# KiCad board FPGA-BOARDver3.kicad_pcb (continued)
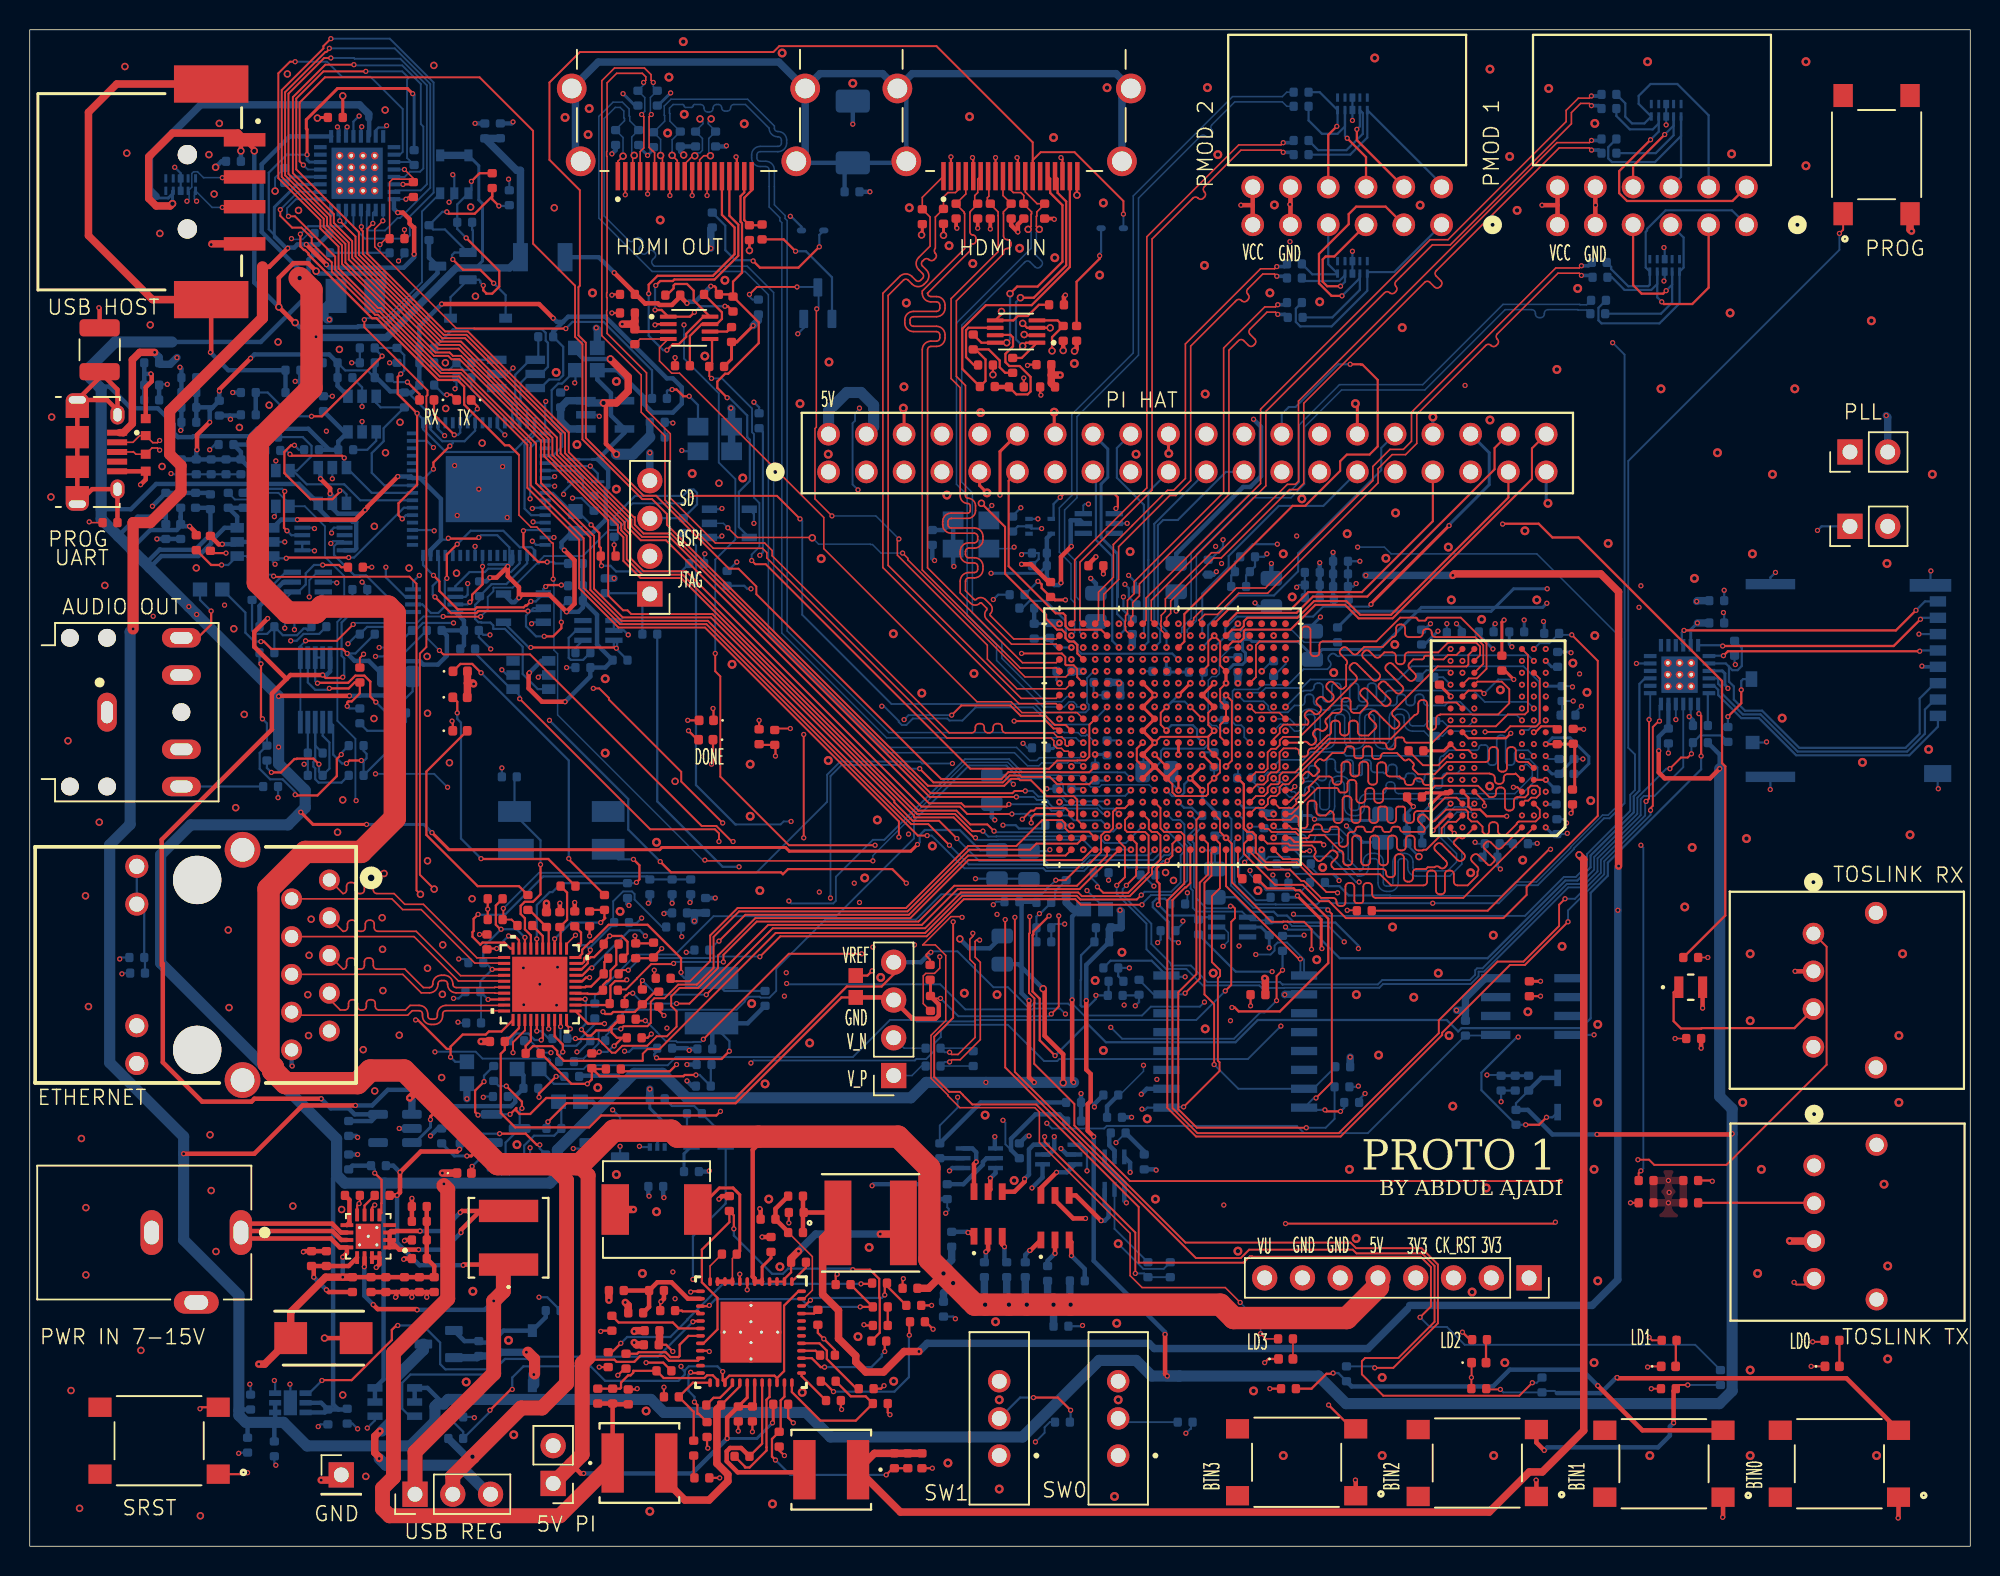
[diagram p0: board, top side]
## Placement (name value [footprint] x y rotation side) (continued)
R146  49.9  [R_0402]  43.75 94.65 270 bottom
R147  49.9  [R_0402]  41.95 94.6 270 bottom
R148  49.9  [R_0402]  42.2 97.4 270 bottom
R149  49.9  [R_0402]  40.9 97.4 270 bottom
R150  49.9  [R_0402]  40.95 94.75 270 bottom
R151  49.9  [R_0402]  39.4 94.75 270 bottom
R152  1K  [R_0402]  46.9 65.1 90 bottom
R153  1MEG  [R_0402]  55.3 91.1 180 bottom
R154  10K  [R_0402]  48.4 88.35 90 top
R155  4.7K  [R_0402]  49 83.35 270 bottom
R156  0  [R_0402]  36.65 42.2 90 top
R157  1.2K  [R_0402]  40.65 34.2 0 top
R158  1.2K  [R_0402]  40.75 40.05 90 top
R159  1.2K  [R_0402]  42.3 36.8 270 top
R160  4.7K  [R_0402]  39.25 32.1 0 top
R161  0  [R_0402]  42.6 38.2 0 top
R162  0  [R_0402]  41.2 36.95 90 top
R163  0  [R_0402]  39.5 36.5 0 top
R164  0  [R_0402]  40.25 35.45 0 top
R165  0  [R_0402]  39.05 37.4 0 top
R166  0  [R_0402]  39.1 38.5 0 top
R167  4.7K  [R_0402]  39.1 40.5 0 top
R168  4.7K  [R_0402]  37.8 32.65 90 top
R169  4.7K  [R_0402]  39.4 39.55 180 top
R170  1.5K  [R_0402]  33.85 33.15 180 top
R171  0  [R_0402]  33.3 41.75 0 top
R172  2.49K 1%  [R_0402]  30.75 40.65 270 top
R173  390  [R_0402]  36.2 44.4 0 top
R174  390  [R_0402]  33.5 43.3 90 top
R175  390  [R_0402]  38.65 43.3 90 top
R176  390  [R_0402]  34.75 42.15 90 top
R177  390  [R_0402]  35.65 42.15 90 top
R178  4.7K  [R_0402]  37.65 42.2 90 top
R179  4.7K  [R_0402]  112.35 55.2 0 bottom
R180  0  [R_0402]  49.45 36.85 270 bottom
R181  1MEG  [R_0402]  7.25 38.55 0 bottom
R182  2.2K  [R_0402]  31.45 33.95 180 top
R183  2.2K  [R_0402]  99.95 28.85 90 bottom
R184  200  [R_0402]  114.2 54.6 90 bottom
R185  47K  [R_0402]  112.35 54.05 0 bottom
R186  4.7K  [R_0402]  114.65 60.4 270 bottom
R187  15K  [R_0402]  44.7 29.1 0 bottom
R188  82  [R_0402]  14.65 6.8 270 bottom
R189  2.2K  [R_0402]  108.7 23.1 0 top
R190  2.2K  [R_0402]  108.7 24.6 0 top
R191  2.2K  [R_0402]  111.7 39.6 0 top
R192  2.2K  [R_0402]  67.05 63.1 0 bottom
R193  10K  [R_0402]  19.2 53.35 0 bottom
R194  26.1K 1%  [R_0402]  24.7 54.35 270 bottom
R195  26.1K 1%  [R_0402]  22.2 55.85 270 bottom
R196  2K  [R_0402]  22.7 61.35 0 bottom
R197  100K  [R_0402]  16.2 51.1 0 bottom
R198  1MEG  [R_0402]  17.7 77.6 0 bottom
R199  330K  [R_0402]  32.25 90.7 90 bottom
R200  0  [R_0402]  29.25 89.05 0 bottom
R201  0  [R_0402]  42.35 77.2 180 bottom
R202  4.7K  [R_0402]  31.65 95.2 270 bottom
R203  1K  [R_0402]  25.85 93.4 90 bottom
R204  0  [R_0402]  25.8 91.25 270 top
R205  0  [R_0402]  19.7 87 180 bottom
R206  10K  [R_0402]  56.25 10.6 180 top
R207  10K  [R_0402]  49.25 88.4 90 top
R208  10k  [R_0402]  34.7 81.35 180 bottom
R209  10k  [R_0402]  26.7 79.6 0 bottom
R210  10k  [R_0402]  36.7 66.1 180 bottom
R211  10k  [R_0402]  29.2 79.6 0 bottom
R212  100k  [R_0402]  36.7 64.6 180 bottom
R213  100k  [R_0402]  36.7 63.6 180 bottom
R214  100k  [R_0402]  39.7 59.6 0 bottom
R215  100k  [R_0402]  37.2 60.1 180 bottom
R216  10k  [R_0402]  25.2 61.6 180 bottom
R217  2k2  [R_0402]  29.2 78.6 180 bottom
R218  1k  [R_0402]  35.7 77.1 270 bottom
R219  470  [R_0402]  23.7 78.6 0 bottom
R220  470  [R_0402]  26.7 78.1 0 bottom
R221  100k  [R_0402]  11.2 67.5 90 top
R222  100k  [R_0402]  12.15 67.45 90 top
R223  100k  [R_0402]  16.2 74.6 180 bottom
R224  100k  [R_0402]  13.35 70.35 270 bottom
R225  100k  [R_0402]  16.35 73.7 180 bottom
R226  100k  [R_0402]  18.95 73.75 0 bottom
R227  100k  [R_0402]  25.2 77.1 90 bottom
R228  100k  [R_0402]  21.25 73.75 180 bottom
R229  100k  [R_0402]  30.25 64.4 90 bottom
R230  100k  [R_0402]  29.45 60.35 180 bottom
R231  100k  [R_0402]  14.35 70.35 270 bottom
R232  100k  [R_0402]  29.7 61.6 180 bottom
R233  100k  [R_0402]  27.2 61.6 0 bottom
R234  40.2  [R_0402]  36.1 32.6 180 bottom
R235  40.2  [R_0402]  38 36 270 bottom
R236  40.2  [R_0402]  38.2 34 180 bottom
R237  40.2  [R_0402]  32.75 34 180 bottom
R238  40.2  [R_0402]  35.65 34.15 180 bottom
R239  40.2  [R_0402]  45.2 40.1 180 bottom
R240  200k  [R_0402]  45.84 84.2 180 top
R241  200k  [R_0402]  64.4 78 0 top
RX1  LED  [LED_0402_1005Metric]  26.7 77.1 180 top
S1  PTS645SK50SMTR92LFS  [SW_PTS645SK50SMTR92LFS]  124.2 93.6 90 top
S2  PTS645SK50SMTR92LFS  [SW_PTS645SK50SMTR92LFS]  8.7 7.1 180 top
S6  PTS645SK50SMTR92LFS  [SW_PTS645SK50SMTR92LFS]  109.9 5.55 180 top
S7  PTS645SK50SMTR92LFS  [SW_PTS645SK50SMTR92LFS]  121.7 5.55 180 top
S8  PTS645SK50SMTR92LFS  [SW_PTS645SK50SMTR92LFS]  97.35 5.6 180 top
S9  PTS645SK50SMTR92LFS  [SW_PTS645SK50SMTR92LFS]  85.2 5.65 180 top
SW0  SW_SPDT  [SW_EG1218]  73.2 8.6 90 top
SW1  SW_SPDT  [SW_EG1218]  65.2 8.6 90 top
TX1  LED  [LED_0402_1005Metric]  29.2 77.1 180 top
U1  XC7Z020-1CLG400I__  [CLG400_ZYNQ-7000_AMD]  76.85 54.45 180 top
U3  FT2232HQ  [64QFN_FT2232HQ_FTD]  30.2 71.1 180 bottom
U4  ATSHA204A-SSHCZ-T  [SOIC8_4P9X3P9MC_MCH]  101.05 36.3 180 bottom
U5  TOTX1950AF  [TOTX1950AF_TOS]  120 25.61 90 top
U6  TORX1950AF  [TORX1950AF_TOS]  119.95 41.21 90 top
U7  S25FL128SAGMFI000  [SO3016_INF]  81.07 33.94 180 bottom
U8  TXS0102DCUR  [SOP50P310X90-8N]  44.34 81.95 0 top
U9  SIP32510DT-T1-GE3  [SIP32510DT-T1-GE3_VIS]  24.55 9.7 180 bottom
U10  AD8647ARMZ-REEL  [RM_10_ADI]  19.2 57.6 90 bottom
U11  NC7SZ125M5X  [SC-74A_318BQ_ONS]  47.05 68.8 0 bottom
U12  RTL8211F-CG  [RTL8211F-CG_RTK]  34.3 37.8 0 top
U13  TXS02612RTWR  [RTW24_2P45X2P45]  110.95 58.62 90 bottom
U14  -  [TLV62130RGTT]  22.77 20.85 180 top
U15  LP5907MFX-3.3  [SOT-23-5]  24.56 28.1 180 bottom
U16  REF3012  [SOT-23]  32.01 28.1 0 bottom
U17  -  [NC7WZ07P6X]  71.89 68.79 180 bottom
U18  NL17SZ17XV5T2G  [SOT553-5_ONS]  67.95 68.6 0 bottom
U19  NL17SZ17XV5T2G  [SOT553-5_ONS]  42.2 27.6 90 bottom
U20  FPF1018  [MLP6_2X2_ONS]  17.53 9.65 180 bottom
U21  -  [NC7WZ07P6X]  18.7 64.85 180 bottom
U22  TPS65400RGZT  [RGZ0048B]  48.5 14.4 270 top
U23  -  [NC7WZ07P6X]  80.86 41.65 0 bottom
U24  TXS0102DCUR  [SOP50P310X90-8N]  66.33 81.7 180 top
U25  TPS2051BDBVR  [DBV0005A_L]  28.55 92.28 90 bottom
U26  TUSB1210BRHBT  [RHB32_3P45X3P45]  22.02 92.35 90 bottom
U27  TPD4E05U06DQAR  [IC_TPD4E05U06DQAR]  88.95 86.02 90 bottom
U28  TPD4E05U06DQAR  [IC_TPD4E05U06DQAR]  88.95 97.02 90 bottom
U29  TPD4E05U06DQAR  [IC_TPD4E05U06DQAR]  109.95 86.15 90 bottom
U30  TPD4E05U06DQAR  [IC_TPD4E05U06DQAR]  110.05 96.58 90 bottom
U31  MBT3904DW1T1G  [SOT236]  63.86 26.1 90 bottom
U32  MBT3904DW1T1G  [SOT236]  69.2 26.35 90 bottom
U33  MBT3904DW1T1G  [SOT236]  72.95 25.1 0 bottom
U35  TPD4E05U06DQAR  [IC_TPD4E05U06DQAR]  10.15 91.58 90 bottom
U36  MIC5504-3.3YM5-TR  [SOT-23-5_MC_MCH]  38.7 76.1 0 bottom
U37  93LC56BT-I/OT  [SOT-23-6_MC_MCH]  32.7 78.85 0 bottom
U38  KC2016K12.0000C1GE00  [KC2016K_KYO]  37.39 72.35 180 bottom
U39  SN74LVC1T45DBVR  [DBV0006A_L]  15.15 67.55 180 bottom
U40  -  [NC7WZ07P6X]  38.24 61.6 180 bottom
U41  NC7SZ125M5X  [SC-74A_318BQ_ONS]  33.2 63.1 180 bottom
U42  SN74LVC1T45DBVR  [DBV0006A_L]  16.55 71.15 270 bottom
U43  SN74LVC1T45DBVR  [DBV0006A_L]  20.35 71.35 270 bottom
U44  SN74LVC1T45DBVR  [DBV0006A_L]  22.35 76.15 270 bottom
U45  SN74LVC1T45DBVR  [DBV0006A_L]  33.7 58.6 180 bottom
U46  NC7WZ126K8X  [US8-8_2P1X2P4_ONS]  19.75 67.75 0 bottom
U47  NC7WZ126K8X  [US8-8_2P1X2P4_ONS]  27.2 63.6 0 bottom
Y1  ABMM-25.000MHZ-B2-T  [XTAL_ABMM-25.000MHZ-B2-T]  35.75 48.15 90 bottom
Y2  SG-8018CE_50.0000M-TJHPA  [OSC_SG-8018CE_50.0000M-TJHPA]  63.3 68.05 270 bottom

## Library data of the parts
C1 C2 C4 C10-C15 C17 C18 C22-C25 C28 C30 C32 C33 C53-C57 C63 C65 C68 C70 C71 C73 C75 C76 C78-C80 C155 C162 C165 C168 C171 C174 C176 C187 C189-C191 C201 C202 C204-C206 C208 C209 C213 C215-C218 C220-C233 = -: Description: Unpolarized capacitor; LCSC PN: c1525; ki_fp_filters: C_*
C3 = -: Description: Unpolarized capacitor; LCSC PN: c307452; ki_fp_filters: C_*
C5 C8 C9 C34 C35 C184 = -: Description: Unpolarized capacitor; LCSC PN: c15195; ki_fp_filters: C_*
C6 C7 C19-C21 C144 C173 C182 = -: Description: Unpolarized capacitor; LCSC PN: c14445; ki_fp_filters: C_*
C16 C66 C181 = -: Description: Unpolarized capacitor; LCSC PN: c14442; ki_fp_filters: C_*
C26 C82 C83 C87-C113 = -: Description: Unpolarized capacitor; LCSC PN: c92361; ki_fp_filters: C_*
C27 C58 C64 C67 C69 C72 C74 C77 C81 C86 C114 C115 C117-C124 C126 C127 C146 C172 C207 C210-C212 C214 C219 = -: Description: Unpolarized capacitor; LCSC PN: c23733; ki_fp_filters: C_*
C29 = -: Description: Unpolarized capacitor; LCSC PN: c337699; ki_fp_filters: C_*
C31 C137 C143 C192-C199 = -: Description: Unpolarized capacitor; LCSC PN: c315248; ki_fp_filters: C_*
C36-C51 = -: Description: Unpolarized capacitor; LCSC PN: c307434; ki_fp_filters: C_*
C52 = -: Description: Unpolarized capacitor; LCSC PN: c237595; ki_fp_filters: C_*
C59-C62 = -: Description: Unpolarized capacitor; LCSC PN: c472451; ki_fp_filters: C_*
C84 C116 = -: Description: Unpolarized capacitor; LCSC PN: c84705; ki_fp_filters: C_*
C85 C128-C136 C179 = -: Description: Unpolarized capacitor; LCSC PN: c141660; ki_fp_filters: C_*
C125 C138 = -: Description: Unpolarized capacitor; LCSC PN: c16790; ki_fp_filters: C_*
C139-C142 C156 C164 C167 C170 C200 = -: Description: Unpolarized capacitor; LCSC PN: c415703; ki_fp_filters: C_*
C145 = -: Description: Unpolarized capacitor; LCSC PN: c51412; ki_fp_filters: C_*
C147 = -: Description: Unpolarized capacitor; LCSC PN: c23967; ki_fp_filters: C_*
C148 C154 C157 C160 = -: Description: Unpolarized capacitor; LCSC PN: c472437; ki_fp_filters: C_*
C149 C151 C153 C159 C161 C163 C166 C169 = -: Description: Unpolarized capacitor; LCSC PN: c307440; ki_fp_filters: C_*
C150 = -: Description: Unpolarized capacitor; LCSC PN: c1527; ki_fp_filters: C_*
C152 = -: Description: Unpolarized capacitor; LCSC PN: c393671; ki_fp_filters: C_*
C158 = -: Description: Unpolarized capacitor; LCSC PN: c13533; ki_fp_filters: C_*
C175 C178 = -: Description: Unpolarized capacitor; LCSC PN: c76947; ki_fp_filters: C_*
C177 = -: Description: Unpolarized capacitor; LCSC PN: c76951; ki_fp_filters: C_*
C180 = -: ki_fp_filters: CAPMP3.7X2.8_2.1N_KEM CAPMP3.7X2.8_2.1N_KEM-M CAPMP3.7X2.8_2.1N_KEM-L
C183 C186 = -: Description: Unpolarized capacitor; LCSC PN: c71687; ki_fp_filters: C_*
C185 = -: Description: Unpolarized capacitor; LCSC PN: c368809; ki_fp_filters: C_*
C188 = -: Description: Unpolarized capacitor; LCSC PN: c170151; ki_fp_filters: C_*
C203 = -: Description: Unpolarized capacitor; LCSC PN: c173219; ki_fp_filters: C_*
CR1 CR2 = -: LCSC PN: C15885; ki_fp_filters: USC_TOS USC_TOS-M USC_TOS-L
CR3 CR4 = -: LCSC PN: C460860; ki_fp_filters: ZDO_SOD123_DIO ZDO_SOD123_DIO-M ZDO_SOD123_DIO-L
CR5 = -: ki_fp_filters: CRYSTAL_TXC_7M
CR6 CR7 = -: ki_fp_filters: CR_050R3C2P_AVX CR_050R3C2P_AVX-M CR_050R3C2P_AVX-L
D1 D4-D6 D28 D32 D33 PWR1 RX1 TX1 = -: Description: Light emitting diode; LCSC PN: C434449; ki_fp_filters: LED* LED_SMD:* LED_THT:*
D7 D8 = -: Datasheet: https://www.rohm.com/datasheet/SMLVN6RGB1U; Description: High Brightness Tri-Color LED, RGB, 3.5x2.8mm; LCSC PN: C2909770; ki_fp_filters: LED*ROHM*SMLVN6*
D25 DONE1 = -: Description: Light emitting diode, small symbol, filled shape; LCSC PN: C434449; ki_fp_filters: LED* LED_SMD:* LED_THT:*
D26 D27 = -: MAXIMUM_PACKAGE_HEIGHT: 0.7 mm; PARTREV: 10; MANUFACTURER: ON Semiconductor; SNAPEDA_PACKAGE_ID: 104167; STANDARD: IPC-7351B; LCSC PN: C152479
D37 = -: Datasheet: https://ms.componentsearchengine.com/Datasheets/2/SMBJ15CA-E3_52.pdf; Description: Vishay SMBJ15CA-E3/52 Bi-Directional TVS Diode, 600W peak, 2-Pin DO-214AA; Height: 2.44; Manufacturer_Name: Vishay; Manufacturer_Part_Number: SMBJ15CA-E3/52; LCSC PN: C435933
F1 = -: LCSC PN: C2442491; ki_fp_filters: FUSE_PTS1206_EAT FUSE_PTS1206_EAT-M FUSE_PTS1206_EAT-L
F2 = -: LCSC PN: C133974; ki_fp_filters: FUSE_PRG-18_MUR FUSE_PRG-18_MUR-M FUSE_PRG-18_MUR-L
FL1 FL2 FL5 = -: LCSC PN: digi/mouser
FL3 FL4 FL6-FL8 = -: LCSC PN: C19330
IC1 = -: Manufacturer_Name: Integrated Silicon Solution Inc.; MF: ISSI, Integrated Silicon Solution Inc; Description_1: SDRAM - DDR3 Memory IC 4Gb (256M x 16) Parallel 800 MHz 20 ns 96-TWBGA (9x13); Mouser_Part_Number: 870-43T16256B125KBLI; Price: None; Check_prices: https://www.snapeda.com/parts/IS43TR16256B-125KBLI/ISSI/view-part/?ref=eda; Height: 1.2mm; SnapEDA_Link: https://www.snapeda.com/parts/IS43TR16256B-125KBLI/ISSI/view-part/?ref=snap; Package: TFBGA-96 ISSI; Mouser_Price-Stock: https://www.mouser.com/Search/Refine.aspx?Keyword=870-43T16256B125KBLI; Availability: In Stock; LCSC PN: C1349408
J1 = -: MF: CUI Devices; Purchase-URL: https://pricing.snapeda.com/search/part/PJ-102AH/?ref=eda; Package: None; Price: None; CUI_purchase_URL: https://www.cuidevices.com/product/interconnect/connectors/dc-power-connectors/jacks/pj-102ah?utm_source=snapeda.com&utm_medium=referral&utm_campaign=snapedaBOM; Availability: In Stock; Description_1: 2.0 x 6.5 mm, 5.0 A, Horizontal, Through Hole, Tapered Pins, Dc Power Jack Connector; LCSC PN: C3096093
J2 = -: Description: Generic connector, single row, 01x01, script generated; LCSC PN: digi/mouser; ki_fp_filters: Connector*:*_1x??_*
J3 = -: Description: Generic connector, single row, 01x03, script generated; LCSC PN: digi/mouser; ki_fp_filters: Connector*:*_1x??_*
J4 J6 = -: Description: Generic connector, single row, 01x04, script generated; LCSC PN: digi/mouser; ki_fp_filters: Connector*:*_1x??_*
J5 J8 J17 = -: Description: Generic connector, single row, 01x02, script generated; LCSC PN: digi/mouser; ki_fp_filters: Connector*:*_1x??_*
J7 = -: Description: Generic connector, single row, 01x08, script generated; LCSC PN: digi/mouser; ki_fp_filters: Connector*:*_1x??_*
J9 = -: ki_fp_filters: SJ1-3525NG_CUD
J10 J11 = -: PARTREV: Y; MANUFACTURER: Amphenol; MAXIMUM_PACKAGE_HEIGHT: 6.30 mm; STANDARD: Manufacturer recommendations; LCSC PN: C428493
J12 = -: Datasheet: https://www.haloelectronics.com/pdf/fastjack-gigabit.pdf; Description: Modular Connectors / Ethernet Connectors GIGABIT 1x1 Tab Down RJ45 w/mag No LED; Mouser Part Number: 493-HFJ11-1G01ERL; Mouser Price/Stock: https://www.mouser.co.uk/ProductDetail/HALO-Electronics/HFJ11-1G01ERL?qs=8uu3sA0mUdvTD6rdbxkWMQ%3D%3D; Manufacturer_Name: Halo Electronics
J13 = -: PARTREV: 0; MANUFACTURER: molex; STANDARD: MANUFACTURER RECOMMENDATIONS; LCSC PN: C428492
J14 = -: LCSC PN: digi/mouser; ki_fp_filters: CONN_PRT-14017_SPK
J15 = -: PARTREV: T; STANDARD: Manufacturer Recommendations; MAXIMUM_PACKAGE_HEIGHT: 7.8 mm; MANUFACTURER: Samtec; LCSC PN: C6906824
J16 = -: PARTREV: D; MANUFACTURER: Amphenol; MAXIMUM_PACKAGE_HEIGHT: 2.66mm; STANDARD: Manufacturer Recommendations; LCSC PN: C132563
L1 = -: Datasheet: https://www.lcsc.com/datasheet/lcsc_datasheet_2310301641_Sunlord-SDFL2012T220KTF_C32375.pdf; Description: 5mA 22uH ±10% 1.1Ω 0805 Inductors (SMD) ROHS; LCSC: C32375; Stock: 21646; Price: 0.028USD; Process: SMT; Minimum Qty: 20; Attrition Qty: 8; Class: Preferred Component; Category: Inductors/Coils/Transformers,Inductors (SMD); Manufacturer: Sunlord; Part: SDFL2012T220KTF; Inductance: 22uH; Tolerance: ±10%; Rated Current: 5mA; DC Resistance (DCR): 1.1Ω; LCSC PN: C223186; ki_fp_filters: L_*
L2 = -: Datasheet: https://www.bourns.com/docs/product-datasheets/srn4018.pdf?sfvrsn=528a0331_17; Description: Inductor SMD 4x4 semi-shielded 3,3uH Bourns SRN4018 Series Shielded Wire-wound SMD Inductor with a Ferrite Core, 3.3 uH +/-20% Wire-Wound 2.2A rms Idc; Mouser Part Number: 652-SRN4018-3R3M; Mouser Price/Stock: https://www.mouser.co.uk/ProductDetail/Bourns/SRN4018-3R3M?qs=UvjENeDOEecJUn4TJeWI1g%3D%3D; Manufacturer_Name: Bourns; LCSC PN: C2044390
L3 = -: Datasheet: NR5040T4R7N; LCSC PN: C223063; ki_fp_filters: IND_TAIYO_NR5040_TAY
L5 = -: Datasheet: SRP4020TA-1R5M; LCSC PN: C3223801; ki_fp_filters: IND_SRP4020_BRN IND_SRP4020_BRN-M IND_SRP4020_BRN-L
L6 L7 = -: Datasheet: NR5040T2R2N; LCSC PN: C223063; ki_fp_filters: IND_TAIYO_NR5040_TAY
L10 = -: Datasheet: TYS60282R2N-10; ki_fp_filters: IND_TYS60282_LRD
Q7 Q10 = -: PARTREV: 09/2018; MANUFACTURER: Diodes Inc.; MAXIMUM_PACKAGE_HEIGHT: 1.1mm; STANDARD: IPC-7351B; LCSC PN: C144153
Q8 Q9 = -: PARTREV: 8; STANDARD: IPC-7351B; MAXIMUM_PACKAGE_HEIGHT: 1.11mm; MANUFACTURER: Onsemi; LCSC PN: C15310
R1 R2 R13 R14 = -: Description: Resistor, US symbol; LCSC PN: C105875; ki_fp_filters: R_*
R3 R16 R67-R82 R91 R156 R161-R166 R171 R180 R200 R201 R204 R205 = -: Description: Resistor, US symbol; LCSC PN: C106231; ki_fp_filters: R_*
R4 R8 R234-R239 = -: Description: Resistor, US symbol; LCSC PN: C274892; ki_fp_filters: R_*
R5-R7 = -: Description: Resistor, US symbol; LCSC PN: C843839; ki_fp_filters: R_*
R9 = -: Description: Resistor, US symbol; LCSC PN: C185455; ki_fp_filters: R_*
R10 R196 = -: Description: Resistor, US symbol; LCSC PN: C60488; ki_fp_filters: R_*
R11 R15 R17-R29 R43 R45 R86 R89 R99 R113 R124 R131 R154 R193 R206-R211 R216 = -: Description: Resistor, US symbol; LCSC PN: C60490; ki_fp_filters: R_*
R12 = -: Description: Resistor, US symbol; LCSC PN: C852482; ki_fp_filters: R_*
R30 R58 = -: Description: Resistor, US symbol; LCSC PN: C295882; ki_fp_filters: R_*
R31 R59 = -: Description: Resistor, US symbol; LCSC PN: C138054; ki_fp_filters: R_*
R32 R60 = -: Description: Resistor, US symbol; LCSC PN: C114757; ki_fp_filters: R_*
R33-R35 R55-R57 R61-R66 R182 R183 R189-R192 R217 = -: Description: Resistor, US symbol; LCSC PN: c114762; ki_fp_filters: R_*
R36-R38 R40 R42 R48 R49 R85 R105 = -: Description: Resistor, US symbol; LCSC PN: C93942; ki_fp_filters: R_*
R39 R41 R46 R47 R127-R130 R152 R203 = -: Description: Resistor, US symbol; LCSC PN: C106235; ki_fp_filters: R_*
R44 R184 = -: Description: Resistor, US symbol; LCSC PN: C114764; ki_fp_filters: R_*
R50 R134-R141 R144-R151 = -: Description: Resistor, US symbol; LCSC PN: C87044; ki_fp_filters: R_*
R51 = -: Description: Resistor, US symbol; LCSC PN: C114760; ki_fp_filters: R_*
R52 = -: Description: Resistor, US symbol; LCSC PN: C163457; ki_fp_filters: R_*
R53 R54 R84 R93 R96 R116 R155 R160 R167-R169 R178 R179 R186 R202 = -: Description: Resistor, US symbol; LCSC PN: C105871; ki_fp_filters: R_*
R83 R98 R197 R212-R215 R221-R233 = -: Description: Resistor, US symbol; LCSC PN: C60491; ki_fp_filters: R_*
R87 = -: Description: Resistor, US symbol; LCSC PN: C274352; ki_fp_filters: R_*
R88 = -: Description: Resistor, US symbol; LCSC PN: C852893; ki_fp_filters: R_*
R90 = -: Description: Resistor, US symbol; LCSC PN: C137950; ki_fp_filters: R_*
R92 R187 = -: Description: Resistor, US symbol; LCSC PN: C114761; ki_fp_filters: R_*
R94 = -: Description: Resistor, US symbol; LCSC PN: C137948; ki_fp_filters: R_*
R95 = -: Description: Resistor, US symbol; LCSC PN: C114755; ki_fp_filters: R_*
R97 = -: Description: Resistor, US symbol; LCSC PN: C138003; ki_fp_filters: R_*
R100 = -: Description: Resistor, US symbol; LCSC PN: C138046; ki_fp_filters: R_*
R101 = -: Description: Resistor, US symbol; LCSC PN: C137935; ki_fp_filters: R_*
R102 = -: Description: Resistor, US symbol; LCSC PN: C93947; ki_fp_filters: R_*
R103 = -: Description: Resistor, US symbol; LCSC PN: C48391747; ki_fp_filters: R_*
R104 R108 = -: Description: Resistor, US symbol; LCSC PN: C138069; ki_fp_filters: R_*
R106 = -: Description: Resistor, US symbol; LCSC PN: C163487; ki_fp_filters: R_*
R107 = -: Description: Resistor, US symbol; LCSC PN: C276265; ki_fp_filters: R_*
R109 = -: Description: Resistor, US symbol; LCSC PN: C137929; ki_fp_filters: R_*
R110 = -: Description: Resistor, US symbol; LCSC PN: C138008; ki_fp_filters: R_*
R111 R219 R220 = -: Description: Resistor, US symbol; LCSC PN: C114877; ki_fp_filters: R_*
R112 R153 R181 R198 = -: Description: Resistor, US symbol; LCSC PN: C138033; ki_fp_filters: R_*
R114 R115 = -: Description: Resistor, US symbol; LCSC PN: C112291; ki_fp_filters: R_*
R117 R125 R126 R132 R133 R170 = -: Description: Resistor, US symbol; LCSC PN: C114759; ki_fp_filters: R_*
R118-R121 = -: Description: Resistor, US symbol; LCSC PN: C106232; ki_fp_filters: R_*
R122 R123 = -: Description: Resistor, US symbol; LCSC PN: C327016; ki_fp_filters: R_*
R142 R143 = -: Description: Resistor, US symbol; LCSC PN: C138022; ki_fp_filters: R_*
R157-R159 = -: Description: Resistor, US symbol; LCSC PN: C138040; ki_fp_filters: R_*
R172 = -: Description: Resistor, US symbol; LCSC PN: C145071; ki_fp_filters: R_*
R173-R177 = -: Description: Resistor, US symbol; LCSC PN: C137997; ki_fp_filters: R_*
R185 = -: Description: Resistor, US symbol; LCSC PN: C93943; ki_fp_filters: R_*
R188 = -: Description: Resistor, US symbol; LCSC PN: C163453; ki_fp_filters: R_*
R194 R195 = -: Description: Resistor, US symbol; LCSC PN: C155697; ki_fp_filters: R_*
R199 = -: Description: Resistor, US symbol; LCSC PN: c138006; ki_fp_filters: R_*
R218 = -: Description: Resistor, US symbol; LCSC PN: c106235; ki_fp_filters: R_*
R240 R241 = -: Description: Resistor, US symbol; LCSC PN: c114763; ki_fp_filters: R_*
S1 S6-S9 = -: STANDARD: Manufacturer Recommendations; MANUFACTURER: CnK; LCSC PN: C221872
S2 = -: STANDARD: Manufacturer Recommendations; MANUFACTURER: CnK; LCSC PN: mouser
SW0 SW1 = -: Description: Switch, single pole double throw
U1 = -: Datasheet: XC7Z020-1CLG400I; LCSC PN: C1519081; ki_fp_filters: CLG400_ZYNQ-7000_AMD CLG400_ZYNQ-7000_AMD-M CLG400_ZYNQ-7000_AMD-L
U3 = -: LCSC PN: C193662; ki_fp_filters: 64QFN_FT2232HQ_FTD 64QFN_FT2232HQ_FTD-M 64QFN_FT2232HQ_FTD-L
U4 = -: LCSC PN: C616025; ki_fp_filters: SOIC8_4P9X3P9MC_MCH SOIC8_4P9X3P9MC_MCH-M SOIC8_4P9X3P9MC_MCH-L
U5 = -: LCSC PN: mouser; ki_fp_filters: TOTX1950AF_TOS
U6 = -: LCSC PN: mouser; ki_fp_filters: TORX1950AF_TOS
U7 = -: LCSC PN: C393875; ki_fp_filters: SO3016_INF SO3016_INF-M SO3016_INF-L
U8 U24 = -: LCSC PN: C53434
U9 = -: LCSC PN: C145264; ki_fp_filters: SIP32510DT-T1-GE3_VIS SIP32510DT-T1-GE3_VIS-M SIP32510DT-T1-GE3_VIS-L
U10 = -: LCSC PN: C653079; ki_fp_filters: RM_10_ADI RM_10_ADI-M RM_10_ADI-L
U11 U41 = -: Datasheet: https://www.onsemi.com/pdf/datasheet/nc7sz125-d.pdf; Description: TinyLogic UHS Buffer, Tri-State Output, SOT-23-5; LCSC PN: C7420; ki_fp_filters: SOT?23*
U12 = -: LCSC PN: C187932; ki_fp_filters: RTL8211F-CG_RTK RTL8211F-CG_RTK-M RTL8211F-CG_RTK-L
U13 = -: LCSC PN: C140276; ki_fp_filters: RTW24_2P45X2P45
U14 = -: LCSC PN: C122479
U15 = -: Datasheet: http://www.ti.com/lit/ds/symlink/lp5907.pdf; Description: 250-mA Ultra-Low-Noise Low-IQ LDO, 3.3V, SOT-23; LCSC PN: C80670; ki_fp_filters: SOT?23*
U16 = -: Datasheet: http://www.ti.com/lit/ds/symlink/ref3033.pdf; Description: 1.25V 50-ppm/°C Max, 50-μA, CMOS Voltage Reference, SOT-23-3; LCSC PN: C34674; ki_fp_filters: SOT?23*
U17 U21 U23 U40 = -: SUPPLIER: FAIRCHILD SEMICONDUCTOR; OC_FARNELL: 1470998; OC_NEWARK: 58K9469; PACKAGE: SC-70-6; LCSC PN: C95342
U18 U19 = -: LCSC PN: C152502; ki_fp_filters: SOT553-5_ONS SOT553-5_ONS-M SOT553-5_ONS-L
U20 = -: ki_fp_filters: MLP6_2X2_ONS MLP6_2X2_ONS-M MLP6_2X2_ONS-L
U22 = -: PARTREV: D; MANUFACTURER: Texas Instruments; MAXIMUM_PACKAGE_HEIGHT: 1 mm; STANDARD: IPC 7351B; LCSC PN: C201658
U25 = -: LCSC PN: C24593; ki_fp_filters: DBV0005A_N DBV0005A_M DBV0005A_L
U26 = -: LCSC PN: C2671015; ki_fp_filters: RHB32_3P45X3P45
U27-U30 U35 = -: PARTREV: N; MANUFACTURER: Texas Instruments; MAXIMUM_PACKAGE_HEIGHT: 0.55 mm; STANDARD: Manufacturer Recommendations; LCSC PN: C138714
U31-U33 = -: LCSC PN: C110150
U36 = -: LCSC PN: C88419; ki_fp_filters: SOT-23-5_MC_MCH SOT-23-5_MC_MCH-M SOT-23-5_MC_MCH-L
U37 = -: LCSC PN: C190271; ki_fp_filters: SOT-23-6_MC_MCH SOT-23-6_MC_MCH-M SOT-23-6_MC_MCH-L
U38 = -: ki_fp_filters: KC2016K_KYO KC2016K_KYO-M KC2016K_KYO-L
U39 U42-U45 = -: LCSC PN: C7843; ki_fp_filters: DBV0006A_N DBV0006A_M DBV0006A_L
U46 U47 = -: LCSC PN: C172455; ki_fp_filters: US8-8_2P1X2P4_ONS US8-8_2P1X2P4_ONS-M US8-8_2P1X2P4_ONS-L
Y1 = -: PARTREV: 02.26.12; STANDARD: Manufacturer Recommendations; MAXIMUM_PACKAGE_HEIGHT: 1.3 mm; MANUFACTURER: Abracon; LCSC PN: C596927
Y2 = -: MAXIMUM_PACKAGE_HEIGHT: 1.2mm; CREATOR: RODRIGO; STANDARD: Manufacturer Recommendations; PARTREV: 5/22/24; VERIFIER: RODRIGO; MANUFACTURER: Epson; LCSC PN: C390511

## Footprints (pads in the part's own frame, mm; a bottom-side part is the same pattern mirrored in y, then rotated)
64QFN_FT2232HQ_FTD
  rect 0.755x0.254 smd: 1(-4.461,3.75) 2(-4.461,3.25) 3(-4.461,2.75) 4(-4.461,2.25) 5(-4.461,1.75) 6(-4.461,1.25) 7(-4.461,0.75) 8(-4.461,0.25) 9(-4.461,-0.25) 10(-4.461,-0.75) 11(-4.461,-1.25) 12(-4.461,-1.75) 13(-4.461,-2.25) 14(-4.461,-2.75) 15(-4.461,-3.25) 16(-4.461,-3.75) 33(4.461,-3.75) 34(4.461,-3.25) 35(4.461,-2.75) 36(4.461,-2.25) 37(4.461,-1.75) 38(4.461,-1.25) 39(4.461,-0.75) 40(4.461,-0.25) 41(4.461,0.25) 42(4.461,0.75) 43(4.461,1.25) 44(4.461,1.75) 45(4.461,2.25) 46(4.461,2.75) 47(4.461,3.25) 48(4.461,3.75)
  rect 0.254x0.755 smd: 17(-3.75,-4.461) 18(-3.25,-4.461) 19(-2.75,-4.461) 20(-2.25,-4.461) 21(-1.75,-4.461) 22(-1.25,-4.461) 23(-0.75,-4.461) 24(-0.25,-4.461) 25(0.25,-4.461) 26(0.75,-4.461) 27(1.25,-4.461) 28(1.75,-4.461) 29(2.25,-4.461) 30(2.75,-4.461) 31(3.25,-4.461) 32(3.75,-4.461) 49(3.75,4.461) 50(3.25,4.461) 51(2.75,4.461) 52(2.25,4.461) 53(1.75,4.461) 54(1.25,4.461) 55(0.75,4.461) 56(0.25,4.461) 57(-0.25,4.461) 58(-0.75,4.461) 59(-1.25,4.461) 60(-1.75,4.461) 61(-2.25,4.461) 62(-2.75,4.461) 63(-3.25,4.461) 64(-3.75,4.461)
  rect 4.445x4.445 smd: 65(0,0)
AMPHENOL_10029449-001RLF
  rect 0.3x1.9 smd: 1(4.75,4.95) 2(4.25,4.95) 3(3.75,4.95) 4(3.25,4.95) 5(2.75,4.95) 6(2.25,4.95) 7(1.75,4.95) 8(1.25,4.95) 9(0.75,4.95) 10(0.25,4.95) 11(-0.25,4.95) 12(-0.75,4.95) 13(-1.25,4.95) 14(-1.75,4.95) 15(-2.25,4.95) 16(-2.75,4.95) 17(-3.25,4.95) 18(-3.75,4.95) 19(-4.25,4.95)
  round 1.995 hole 1.33: SH1(-7.25,3.95) SH2(7.25,3.95) SH3(-7.85,-0.95) SH4(7.85,-0.95)
AMPHENOL_10118194-0001LF
  rect 0.4x1.35 smd: 1(-1.3,2.675) 2(-0.65,2.675) 3(0,2.675) 4(0.65,2.675) 5(1.3,2.675)
  custom 1.655x1.56 hole 0.5x1.15: SH1(-3.5,0) SH4(3.5,0)
  rect 1.5x1.55 smd: SH2(1,0) SH3(-1,0)
  oval 1.3x0.95 hole 0.9x0.55: SH5(-2.5,2.7) SH6(2.5,2.7)
BEADC1608X95N
  rect 1x0.97 smd: 1(-0.735,0) 2(0.735,0)
BGA96C80P9X16_900X1300X120
  round 0.41 smd: A1(-3.2,6) A2(-2.4,6) A3(-1.6,6) A7(1.6,6) A8(2.4,6) A9(3.2,6) B1(-3.2,5.2) B2(-2.4,5.2) B3(-1.6,5.2) B7(1.6,5.2) B8(2.4,5.2) B9(3.2,5.2) C1(-3.2,4.4) C2(-2.4,4.4) C3(-1.6,4.4) C7(1.6,4.4) C8(2.4,4.4) C9(3.2,4.4) D1(-3.2,3.6) D2(-2.4,3.6) D3(-1.6,3.6) D7(1.6,3.6) D8(2.4,3.6) D9(3.2,3.6) E1(-3.2,2.8) E2(-2.4,2.8) E3(-1.6,2.8) E7(1.6,2.8) E8(2.4,2.8) E9(3.2,2.8) F1(-3.2,2) F2(-2.4,2) F3(-1.6,2) F7(1.6,2) F8(2.4,2) F9(3.2,2) G1(-3.2,1.2) G2(-2.4,1.2) G3(-1.6,1.2) G7(1.6,1.2) G8(2.4,1.2) G9(3.2,1.2) H1(-3.2,0.4) H2(-2.4,0.4) H3(-1.6,0.4) H7(1.6,0.4) H8(2.4,0.4) H9(3.2,0.4) J1(-3.2,-0.4) J2(-2.4,-0.4) J3(-1.6,-0.4) J7(1.6,-0.4) J8(2.4,-0.4) J9(3.2,-0.4) K1(-3.2,-1.2) K2(-2.4,-1.2) K3(-1.6,-1.2) K7(1.6,-1.2) K8(2.4,-1.2) K9(3.2,-1.2) L1(-3.2,-2) L2(-2.4,-2) L3(-1.6,-2) L7(1.6,-2) L8(2.4,-2) L9(3.2,-2) M1(-3.2,-2.8) M2(-2.4,-2.8) M3(-1.6,-2.8) M7(1.6,-2.8) M8(2.4,-2.8) M9(3.2,-2.8) N1(-3.2,-3.6) N2(-2.4,-3.6) N3(-1.6,-3.6) N7(1.6,-3.6) N8(2.4,-3.6) N9(3.2,-3.6) P1(-3.2,-4.4) P2(-2.4,-4.4) P3(-1.6,-4.4) P7(1.6,-4.4) P8(2.4,-4.4) P9(3.2,-4.4) R1(-3.2,-5.2) R2(-2.4,-5.2) R3(-1.6,-5.2) R7(1.6,-5.2) R8(2.4,-5.2) R9(3.2,-5.2) T1(-3.2,-6) T2(-2.4,-6) T3(-1.6,-6) T7(1.6,-6) T8(2.4,-6) T9(3.2,-6)
C_0402
  rrect 0.56x0.62 smd: 1(-0.5,0) 2(0.5,0)
C_0805
  rrect 1x1.45 smd: 1(-0.95,0) 2(0.95,0)
C_1210_3225Metric
  rrect 1.15x2.7 smd: 1(-1.475,0) 2(1.475,0)
C_1808_4520Metric
  rrect 1.55x2.3 smd: 1(-2.075,0) 2(2.075,0)
CAPMP3.7X2.8_2.1N_KEM
  rect 1.405x2.3 smd: 1(-1.3,0) 2(1.3,0)
CLG400_ZYNQ-7000_AMD
  round 0.457 smd: A1(-7.6,7.6) A2(-6.8,7.6) A3(-6,7.6) A4(-5.2,7.6) A5(-4.4,7.6) A6(-3.6,7.6) A7(-2.8,7.6) A8(-2,7.6) A9(-1.2,7.6) A10(-0.4,7.6) A11(0.4,7.6) A12(1.2,7.6) A13(2,7.6) A14(2.8,7.6) A15(3.6,7.6) A16(4.4,7.6) A17(5.2,7.6) A18(6,7.6) A19(6.8,7.6) A20(7.6,7.6) B1(-7.6,6.8) B2(-6.8,6.8) B3(-6,6.8) B4(-5.2,6.8) B5(-4.4,6.8) B6(-3.6,6.8) B7(-2.8,6.8) B8(-2,6.8) B9(-1.2,6.8) B10(-0.4,6.8) B11(0.4,6.8) B12(1.2,6.8) B13(2,6.8) B14(2.8,6.8) B15(3.6,6.8) B16(4.4,6.8) B17(5.2,6.8) B18(6,6.8) B19(6.8,6.8) B20(7.6,6.8) C1(-7.6,6) C2(-6.8,6) C3(-6,6) C4(-5.2,6) C5(-4.4,6) C6(-3.6,6) C7(-2.8,6) C8(-2,6) C9(-1.2,6) C10(-0.4,6) C11(0.4,6) C12(1.2,6) C13(2,6) C14(2.8,6) C15(3.6,6) C16(4.4,6) C17(5.2,6) C18(6,6) C19(6.8,6) C20(7.6,6) D1(-7.6,5.2) D2(-6.8,5.2) D3(-6,5.2) D4(-5.2,5.2) D5(-4.4,5.2) D6(-3.6,5.2) D7(-2.8,5.2) D8(-2,5.2) D9(-1.2,5.2) D10(-0.4,5.2) D11(0.4,5.2) D12(1.2,5.2) D13(2,5.2) D14(2.8,5.2) D15(3.6,5.2) D16(4.4,5.2) D17(5.2,5.2) D18(6,5.2) D19(6.8,5.2) D20(7.6,5.2) E1(-7.6,4.4) E2(-6.8,4.4) E3(-6,4.4) E4(-5.2,4.4) E5(-4.4,4.4) E6(-3.6,4.4) E7(-2.8,4.4) E8(-2,4.4) E9(-1.2,4.4) E10(-0.4,4.4) E11(0.4,4.4) E12(1.2,4.4) E13(2,4.4) E14(2.8,4.4) E15(3.6,4.4) E16(4.4,4.4) E17(5.2,4.4) E18(6,4.4) E19(6.8,4.4) E20(7.6,4.4) F1(-7.6,3.6) F2(-6.8,3.6) F3(-6,3.6) F4(-5.2,3.6) F5(-4.4,3.6) F6(-3.6,3.6) F7(-2.8,3.6) F8(-2,3.6) F9(-1.2,3.6) F10(-0.4,3.6) F11(0.4,3.6) F12(1.2,3.6) F13(2,3.6) F14(2.8,3.6) F15(3.6,3.6) F16(4.4,3.6) F17(5.2,3.6) F18(6,3.6) F19(6.8,3.6) F20(7.6,3.6) G1(-7.6,2.8) G2(-6.8,2.8) G3(-6,2.8) G4(-5.2,2.8) G5(-4.4,2.8) G6(-3.6,2.8) G7(-2.8,2.8) G8(-2,2.8) G9(-1.2,2.8) G10(-0.4,2.8) G11(0.4,2.8) G12(1.2,2.8) G13(2,2.8) G14(2.8,2.8) G15(3.6,2.8) G16(4.4,2.8) G17(5.2,2.8) G18(6,2.8) G19(6.8,2.8) G20(7.6,2.8) H1(-7.6,2) H2(-6.8,2) H3(-6,2) H4(-5.2,2) H5(-4.4,2) H6(-3.6,2) H7(-2.8,2) H8(-2,2) H9(-1.2,2) H10(-0.4,2) H11(0.4,2) H12(1.2,2) H13(2,2) H14(2.8,2) H15(3.6,2) H16(4.4,2) H17(5.2,2) H18(6,2) H19(6.8,2) H20(7.6,2) J1(-7.6,1.2) J2(-6.8,1.2) J3(-6,1.2) J4(-5.2,1.2) J5(-4.4,1.2) J6(-3.6,1.2) J7(-2.8,1.2) J8(-2,1.2) J9(-1.2,1.2) J10(-0.4,1.2) J11(0.4,1.2) J12(1.2,1.2) J13(2,1.2) J14(2.8,1.2) J15(3.6,1.2) J16(4.4,1.2) J17(5.2,1.2) J18(6,1.2) J19(6.8,1.2) J20(7.6,1.2) K1(-7.6,0.4) K2(-6.8,0.4) K3(-6,0.4) K4(-5.2,0.4) K5(-4.4,0.4) K6(-3.6,0.4) K7(-2.8,0.4) K8(-2,0.4) K9(-1.2,0.4) K10(-0.4,0.4) K11(0.4,0.4) K12(1.2,0.4) K13(2,0.4) K14(2.8,0.4) K15(3.6,0.4) K16(4.4,0.4) K17(5.2,0.4) K18(6,0.4) K19(6.8,0.4) K20(7.6,0.4) L1(-7.6,-0.4) L2(-6.8,-0.4) L3(-6,-0.4) L4(-5.2,-0.4) L5(-4.4,-0.4) L6(-3.6,-0.4) L7(-2.8,-0.4) L8(-2,-0.4) L9(-1.2,-0.4) L10(-0.4,-0.4) L11(0.4,-0.4) L12(1.2,-0.4) L13(2,-0.4) L14(2.8,-0.4) L15(3.6,-0.4) L16(4.4,-0.4) L17(5.2,-0.4) L18(6,-0.4) L19(6.8,-0.4) L20(7.6,-0.4) M1(-7.6,-1.2) M2(-6.8,-1.2) M3(-6,-1.2) M4(-5.2,-1.2) M5(-4.4,-1.2) M6(-3.6,-1.2) M7(-2.8,-1.2) M8(-2,-1.2) M9(-1.2,-1.2) M10(-0.4,-1.2) M11(0.4,-1.2) M12(1.2,-1.2) M13(2,-1.2) M14(2.8,-1.2) M15(3.6,-1.2) M16(4.4,-1.2) M17(5.2,-1.2) M18(6,-1.2) M19(6.8,-1.2) M20(7.6,-1.2) N1(-7.6,-2) N2(-6.8,-2) N3(-6,-2) N4(-5.2,-2) N5(-4.4,-2) N6(-3.6,-2) N7(-2.8,-2) N8(-2,-2) N9(-1.2,-2) N10(-0.4,-2) N11(0.4,-2) N12(1.2,-2) N13(2,-2) N14(2.8,-2) N15(3.6,-2) N16(4.4,-2) N17(5.2,-2) N18(6,-2) N19(6.8,-2) N20(7.6,-2) P1(-7.6,-2.8) P2(-6.8,-2.8) P3(-6,-2.8) P4(-5.2,-2.8) P5(-4.4,-2.8) P6(-3.6,-2.8) P7(-2.8,-2.8) P8(-2,-2.8) P9(-1.2,-2.8) P10(-0.4,-2.8) P11(0.4,-2.8) P12(1.2,-2.8) P13(2,-2.8) P14(2.8,-2.8) P15(3.6,-2.8) P16(4.4,-2.8) P17(5.2,-2.8) P18(6,-2.8) P19(6.8,-2.8) P20(7.6,-2.8) R1(-7.6,-3.6) R2(-6.8,-3.6) R3(-6,-3.6) R4(-5.2,-3.6) R5(-4.4,-3.6) R6(-3.6,-3.6) R7(-2.8,-3.6) R8(-2,-3.6) R9(-1.2,-3.6) R10(-0.4,-3.6) R11(0.4,-3.6) R12(1.2,-3.6) R13(2,-3.6) R14(2.8,-3.6) R15(3.6,-3.6) R16(4.4,-3.6) R17(5.2,-3.6) R18(6,-3.6) R19(6.8,-3.6) R20(7.6,-3.6) T1(-7.6,-4.4) T2(-6.8,-4.4) T3(-6,-4.4) T4(-5.2,-4.4) T5(-4.4,-4.4) T6(-3.6,-4.4) T7(-2.8,-4.4) T8(-2,-4.4) T9(-1.2,-4.4) T10(-0.4,-4.4) T11(0.4,-4.4) T12(1.2,-4.4) T13(2,-4.4) T14(2.8,-4.4) T15(3.6,-4.4) T16(4.4,-4.4) T17(5.2,-4.4) T18(6,-4.4) T19(6.8,-4.4) T20(7.6,-4.4) U1(-7.6,-5.2) U2(-6.8,-5.2) U3(-6,-5.2) U4(-5.2,-5.2) U5(-4.4,-5.2) U6(-3.6,-5.2) U7(-2.8,-5.2) U8(-2,-5.2) U9(-1.2,-5.2) U10(-0.4,-5.2) U11(0.4,-5.2) U12(1.2,-5.2) U13(2,-5.2) U14(2.8,-5.2) U15(3.6,-5.2) U16(4.4,-5.2) U17(5.2,-5.2) U18(6,-5.2) U19(6.8,-5.2) U20(7.6,-5.2) V1(-7.6,-6) V2(-6.8,-6) V3(-6,-6) V4(-5.2,-6) V5(-4.4,-6) V6(-3.6,-6) V7(-2.8,-6) V8(-2,-6) V9(-1.2,-6) V10(-0.4,-6) V11(0.4,-6) V12(1.2,-6) V13(2,-6) V14(2.8,-6) V15(3.6,-6) V16(4.4,-6) V17(5.2,-6) V18(6,-6) V19(6.8,-6) V20(7.6,-6) W1(-7.6,-6.8) W2(-6.8,-6.8) W3(-6,-6.8) W4(-5.2,-6.8) W5(-4.4,-6.8) W6(-3.6,-6.8) W7(-2.8,-6.8) W8(-2,-6.8) W9(-1.2,-6.8) W10(-0.4,-6.8) W11(0.4,-6.8) W12(1.2,-6.8) W13(2,-6.8) W14(2.8,-6.8) W15(3.6,-6.8) W16(4.4,-6.8) W17(5.2,-6.8) W18(6,-6.8) W19(6.8,-6.8) W20(7.6,-6.8) Y1(-7.6,-7.6) Y2(-6.8,-7.6) Y3(-6,-7.6) Y4(-5.2,-7.6) Y5(-4.4,-7.6) Y6(-3.6,-7.6) Y7(-2.8,-7.6) Y8(-2,-7.6) Y9(-1.2,-7.6) Y10(-0.4,-7.6) Y11(0.4,-7.6) Y12(1.2,-7.6) Y13(2,-7.6) Y14(2.8,-7.6) Y15(3.6,-7.6) Y16(4.4,-7.6) Y17(5.2,-7.6) Y18(6,-7.6) Y19(6.8,-7.6) Y20(7.6,-7.6)
